# KiCad board zr7-taillight.kicad_pcb
title: Tail Light for ZR-7; date: 2025-12-04; rev: 1.1; company: Salvatore La Bua; note: SLB Labs
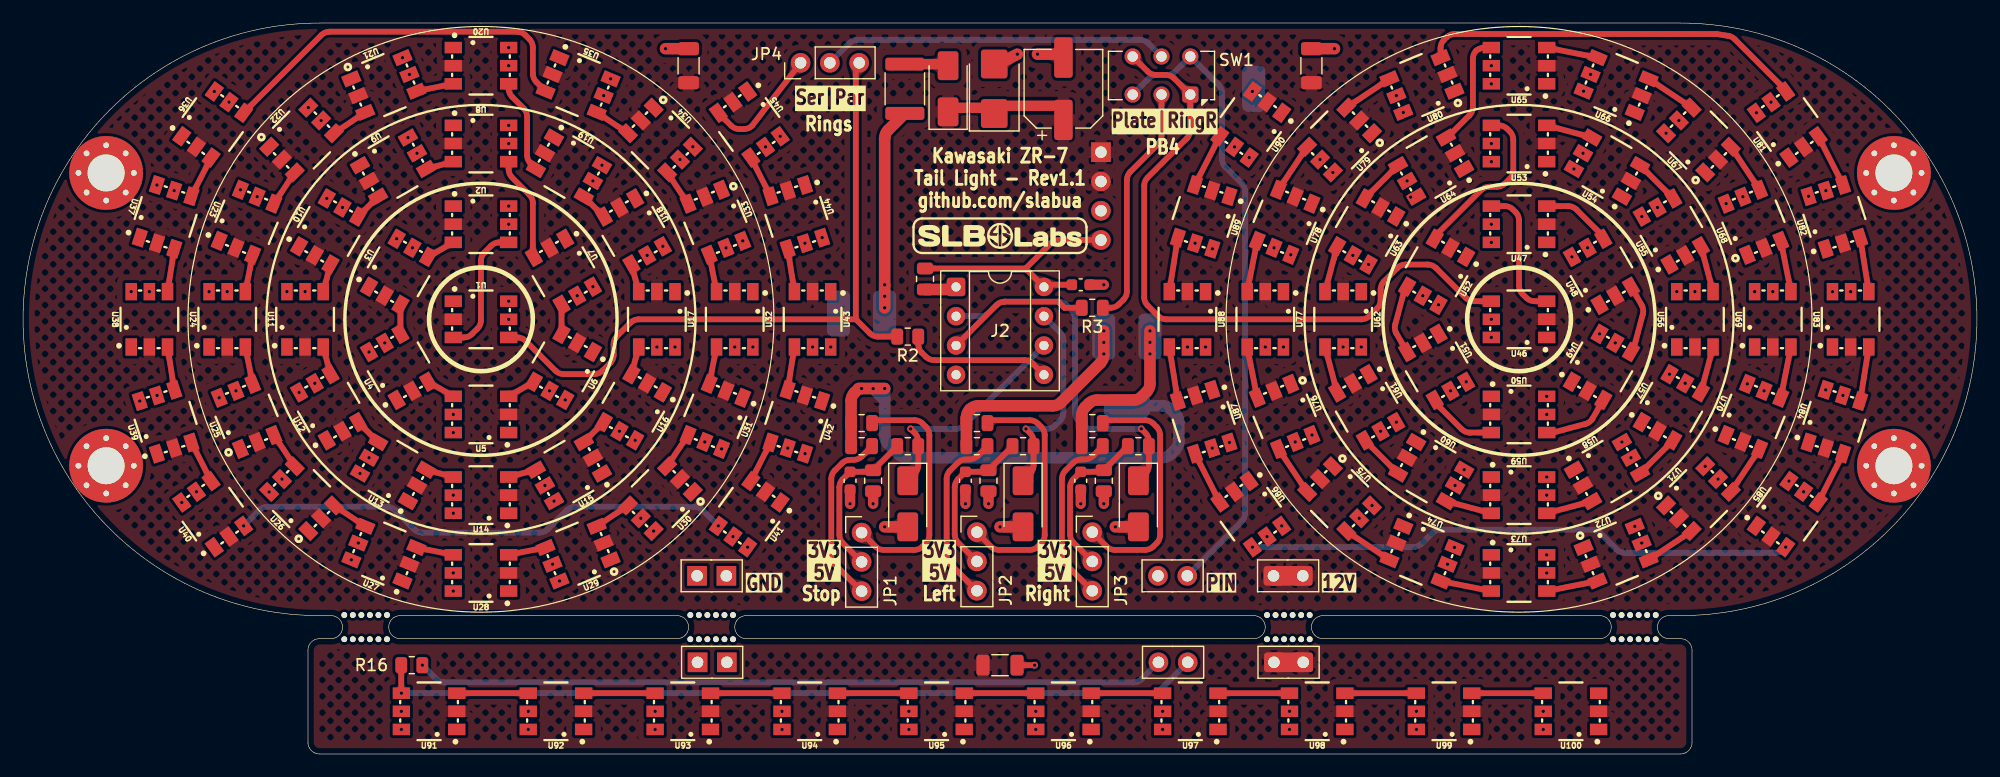
[diagram p0: board, top side]
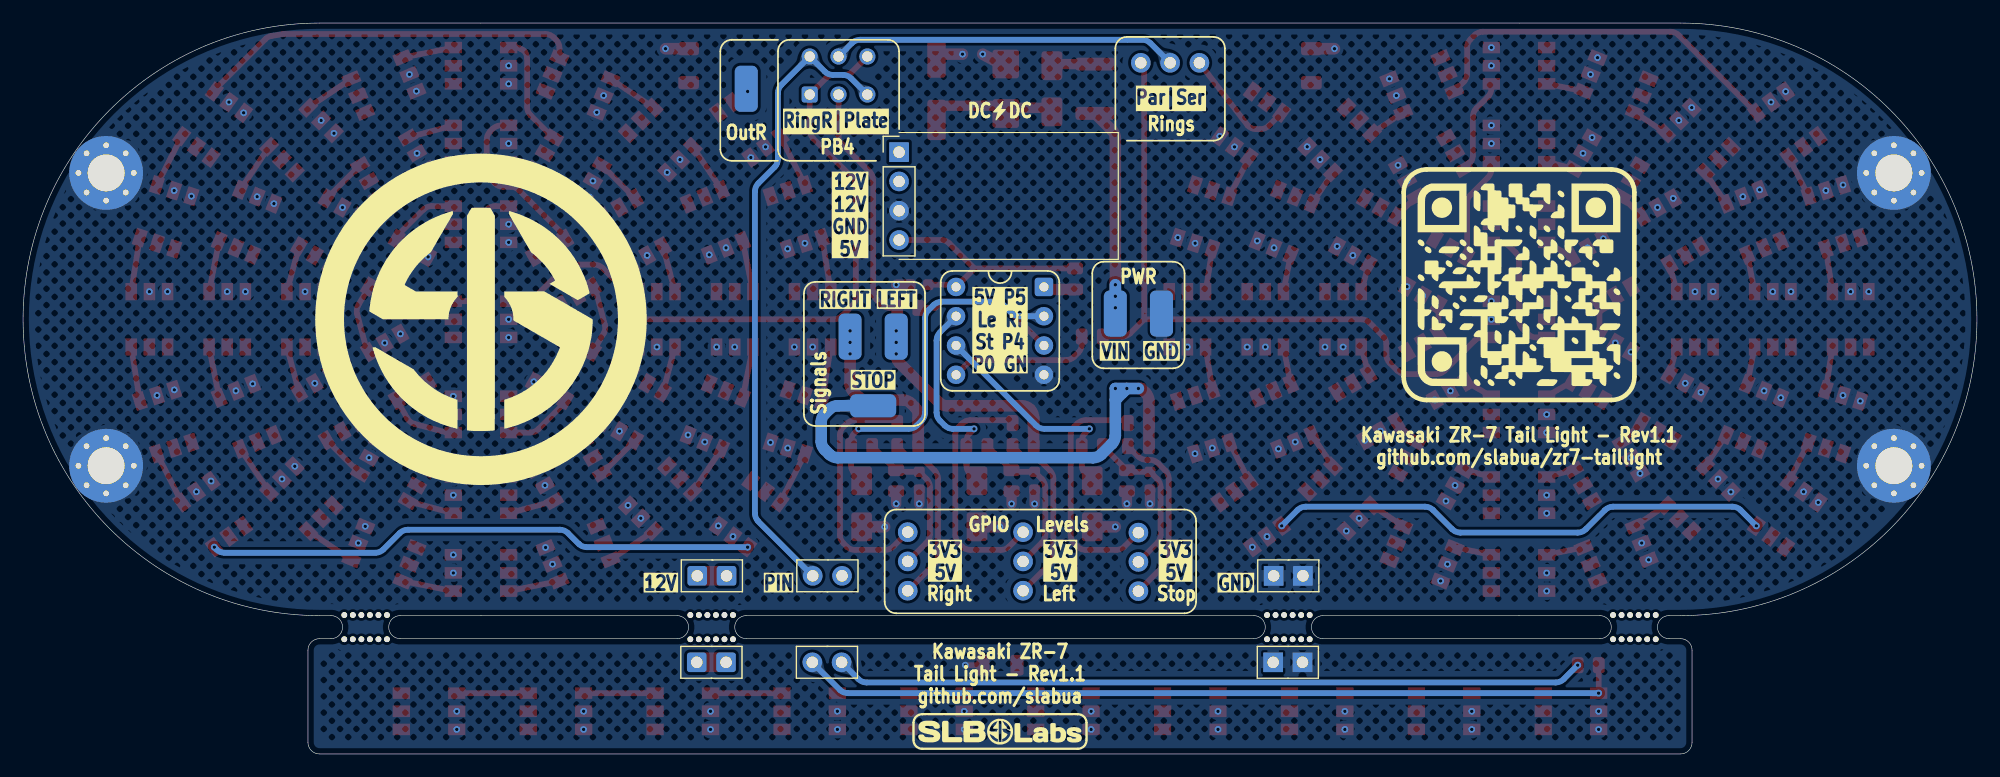
[diagram p1: board, bottom side, seen from below]

Outline 169.4 x 63.4 mm; copper layers: Top, Bottom. Coordinates in mm from the lower left corner of the outline.
Outline path: 26.7,12 25.7,12 arc(0,37.7) 25.7,63.4 143.7,63.4 arc(169.4,37.7) 143.7,12 142.7,12 ; 26.7,10 25.7,10 arc(24.99,9.71) 24.7,9 24.7,1 arc(24.99,0.29) 25.7,0 143.7,0 arc(144.41,0.29) 144.7,1 144.7,9 arc(144.41,9.71) 143.7,10 142.7,10 ; 32.7,12 56.7,12 ; 32.7,10 56.7,10 ; 62.7,10 106.7,10 ; 106.7,12 62.7,12 ; 112.7,12 136.7,12 ; 112.7,10 136.7,10

## Placement (name value [footprint] x y rotation side)
C1  100u  [CP_Elec_6.3x5.7]  90.2 57.7 90 top
C2  100n  [C_0603_1608Metric]  91.7 40.7 0 top
C3  100n  [C_0603_1608Metric]  71.7 23.7 270 top
C4  100n  [C_0603_1608Metric]  81.7 23.7 270 top
C5  100n  [C_0603_1608Metric]  91.7 23.7 270 top
C6  1u  [C_1206_3216Metric]  57.7 59.7 90 top
C7  1u  [C_1206_3216Metric]  111.7 59.7 90 top
C8  1u  [C_1206_3216Metric]  84.7 7.7 0 top
D1  D_Schottky  [D_SMA]  80.2 57.7 90 top
D2  SMBJ14A  [D_SMB]  84.2 57.7 90 top
D3  SMAJ5.0A  [D_SMA]  76.7 21.7 270 top
D4  SMAJ5.0A  [D_SMA]  86.7 21.7 270 top
D5  SMAJ5.0A  [D_SMA]  96.7 21.7 270 top
F1  Polyfuse  [SLB-Fuse_1812_4532Metric]  76.45 57.7 90 top
G***  -  [SLBLabs LOGO full w-border]  84.7 44.95 0 top
G***#2  -  [LOGO]  39.7 40.7 180 bottom
G***#3  -  [SLBLabs LOGO full w-border]  84.7 1.95 180 bottom
J1  Conn_01x04_Pin  [SLB-Mini_DCDC]  93.45 52.2 180 bottom
J2  Conn_02x04_Counter_Clockwise  [DIP-8_W7.62mm_Socket]  80.89 40.51 0 top
JP1  Jumper_3_Open  [PinHeader_1x03_P2.54mm_Vertical]  72.7 19.2 0 top
JP2  Jumper_3_Open  [PinHeader_1x03_P2.54mm_Vertical]  82.7 19.24 0 top
JP3  Jumper_3_Open  [PinHeader_1x03_P2.54mm_Vertical]  92.7 19.24 0 top
JP4  Jumper_3_Open  [PinHeader_1x03_P2.54mm_Vertical]  67.41 59.95 90 top
R1  10k  [R_0805_2012Metric]  78.2 41.2 270 top
R2  330  [R_0805_2012Metric]  76.7 36.2 180 top
R3  330  [R_0805_2012Metric]  92.7 38.7 0 top
R4  1k  [R_0805_2012Metric]  76.7 26.7 180 top
R5  1k  [R_0805_2012Metric]  86.7 26.7 180 top
R6  1k  [R_0805_2012Metric]  96.7 26.7 180 top
R7  4k7  [R_0805_2012Metric]  73.7 23.7 270 top
R8  4k7  [R_0805_2012Metric]  83.7 23.7 270 top
R9  4k7  [R_0805_2012Metric]  93.7 23.7 270 top
R10  22k  [R_0805_2012Metric]  72.7 26.7 0 top
R11  22k  [R_0805_2012Metric]  82.7 26.7 0 top
R12  22k  [R_0805_2012Metric]  92.7 26.7 0 top
R13  39k  [R_0805_2012Metric]  72.7 28.7 0 top
R14  39k  [R_0805_2012Metric]  82.7 28.7 0 top
R15  39k  [R_0805_2012Metric]  92.7 28.7 0 top
R16  330  [R_0805_2012Metric]  33.7 7.7 180 top
REF**  mousebites 2mm  [mousebites_2mm]  59.7 12 90 top
Ref**  -  [SLBLabs LOGO only w-border]  129.7 37.7 180 bottom
REF**#2  mousebites 2mm  [mousebites_2mm]  59.7 10 270 top
REF**#3  mousebites 2mm  [mousebites_2mm]  109.7 12 90 top
REF**#4  mousebites 2mm  [mousebites_2mm]  29.7 10 270 top
REF**#5  -  [MountingHole_3.2mm_M3_Pad_Via]  7.2 25 0 top
REF**#6  mousebites 2mm  [mousebites_2mm]  29.7 12 90 top
REF**#7  mousebites 2mm  [mousebites_2mm]  139.7 12 90 top
REF**#8  -  [MountingHole_3.2mm_M3_Pad_Via]  162.2 25 0 top
REF**#9  mousebites 2mm  [mousebites_2mm]  109.7 10 270 top
REF**#10  mousebites 2mm  [mousebites_2mm]  139.7 10 270 top
REF**#11  -  [MountingHole_3.2mm_M3_Pad_Via]  162.2 50.4 0 top
REF**#12  -  [MountingHole_3.2mm_M3_Pad_Via]  7.2 50.4 0 top
REF**#13  -  [PinHeader_1x02_P2.54mm_Vertical]  110.99 7.95 90 bottom
REF**#14  -  [SolderWirePad_1x01_SMD_2x4mm]  93.7 36.2 180 bottom
REF**#15  -  [SolderWirePad_1x01_SMD_2x4mm]  106.7 57.7 180 bottom
REF**#16  -  [SolderWirePad_1x01_SMD_2x4mm]  95.7 30.2 90 bottom
REF**#17  -  [PinHeader_1x02_P2.54mm_Vertical#2]  60.98 15.45 90 bottom
REF**#18  -  [PinHeader_1x02_P2.54mm_Vertical#2]  61.02 7.95 90 bottom
REF**#19  -  [SolderWirePad_1x01_SMD_2x4mm]  74.7 38.2 180 bottom
REF**#20  -  [PinHeader_1x02_P2.54mm_Vertical#3]  100.94 15.45 90 bottom
REF**#21  -  [SolderWirePad_1x01_SMD_2x4mm]  70.7 38.2 180 bottom
REF**#22  -  [PinHeader_1x02_P2.54mm_Vertical]  110.95 15.45 90 bottom
REF**#23  -  [PinHeader_1x02_P2.54mm_Vertical#3]  100.98 7.95 90 bottom
REF**#24  -  [SolderWirePad_1x01_SMD_2x4mm]  97.7 36.2 180 bottom
SW1  SW_DPDT_x2  [SW_CK_JS202011CQN_DPDT_Straight]  101.2 57.2 180 top
U1  WS2815  [LED-TRICOLOR-5050]  39.7 37.7 0 top
U2  WS2815  [LED-TRICOLOR-5050]  39.7 45.95 0 top
U3  WS2815  [LED-TRICOLOR-5050]  32.56 41.83 60 top
U4  WS2815  [LED-TRICOLOR-5050]  32.56 33.58 120 top
U5  WS2815  [LED-TRICOLOR-5050]  39.7 29.45 180 top
U6  WS2815  [LED-TRICOLOR-5050]  46.84 33.58 240 top
U7  WS2815  [LED-TRICOLOR-5050]  46.84 41.83 300 top
U8  WS2815  [LED-TRICOLOR-5050]  39.7 52.95 0 top
U9  WS2815  [LED-TRICOLOR-5050]  32.08 50.91 30 top
U10  WS2815  [LED-TRICOLOR-5050]  26.49 45.33 60 top
U11  WS2815  [LED-TRICOLOR-5050]  24.45 37.7 90 top
U12  WS2815  [LED-TRICOLOR-5050]  26.49 30.08 120 top
U13  WS2815  [LED-TRICOLOR-5050]  32.08 24.49 150 top
U14  WS2815  [LED-TRICOLOR-5050]  39.7 22.45 180 top
U15  WS2815  [LED-TRICOLOR-5050]  47.33 24.49 210 top
U16  WS2815  [LED-TRICOLOR-5050]  52.91 30.08 240 top
U17  WS2815  [LED-TRICOLOR-5050]  54.95 37.7 270 top
U18  WS2815  [LED-TRICOLOR-5050]  52.91 45.33 300 top
U19  WS2815  [LED-TRICOLOR-5050]  47.33 50.91 330 top
U20  WS2815  [LED-TRICOLOR-5050]  39.7 59.7 0 top
U21  WS2815  [LED-TRICOLOR-5050]  31.28 58.03 22.5 top
U22  WS2815  [LED-TRICOLOR-5050]  24.14 53.26 45 top
U23  WS2815  [LED-TRICOLOR-5050]  19.37 46.12 67.5 top
U24  WS2815  [LED-TRICOLOR-5050]  17.7 37.7 90 top
U25  WS2815  [LED-TRICOLOR-5050]  19.37 29.28 112.5 top
U26  WS2815  [LED-TRICOLOR-5050]  24.14 22.14 135 top
U27  WS2815  [LED-TRICOLOR-5050]  31.28 17.37 157.5 top
U28  WS2815  [LED-TRICOLOR-5050]  39.7 15.7 180 top
U29  WS2815  [LED-TRICOLOR-5050]  48.12 17.37 202.5 top
U30  WS2815  [LED-TRICOLOR-5050]  55.26 22.14 225 top
U31  WS2815  [LED-TRICOLOR-5050]  60.03 29.28 247.5 top
U32  WS2815  [LED-TRICOLOR-5050]  61.7 37.7 270 top
U33  WS2815  [LED-TRICOLOR-5050]  60.03 46.12 292.5 top
U34  WS2815  [LED-TRICOLOR-5050]  55.26 53.26 315 top
U35  WS2815  [LED-TRICOLOR-5050]  48.12 58.03 337.5 top
U36  WS2815  [LED-TRICOLOR-5050]  16.44 54.6 54 top
U37  WS2815  [LED-TRICOLOR-5050]  12.36 46.58 72 top
U38  WS2815  [LED-TRICOLOR-5050]  10.95 37.7 90 top
U39  WS2815  [LED-TRICOLOR-5050]  12.36 28.82 108 top
U40  WS2815  [LED-TRICOLOR-5050]  16.44 20.8 126 top
U41  WS2815  [LED-TRICOLOR-5050]  62.96 20.8 234 top
U42  WS2815  [LED-TRICOLOR-5050]  67.04 28.82 252 top
U43  WS2815  [LED-TRICOLOR-5050]  68.45 37.7 270 top
U44  WS2815  [LED-TRICOLOR-5050]  67.04 46.58 288 top
U45  WS2815  [LED-TRICOLOR-5050]  62.96 54.6 306 top
U46  WS2815  [LED-TRICOLOR-5050]  129.7 37.7 180 top
U47  WS2815  [LED-TRICOLOR-5050]  129.7 45.95 180 top
U48  WS2815  [LED-TRICOLOR-5050]  136.84 41.83 120 top
U49  WS2815  [LED-TRICOLOR-5050]  136.84 33.58 60 top
U50  WS2815  [LED-TRICOLOR-5050]  129.7 29.45 0 top
U51  WS2815  [LED-TRICOLOR-5050]  122.56 33.58 300 top
U52  WS2815  [LED-TRICOLOR-5050]  122.56 41.83 240 top
U53  WS2815  [LED-TRICOLOR-5050]  129.7 52.95 180 top
U54  WS2815  [LED-TRICOLOR-5050]  137.32 50.91 150 top
U55  WS2815  [LED-TRICOLOR-5050]  142.91 45.33 120 top
U56  WS2815  [LED-TRICOLOR-5050]  144.95 37.7 90 top
U57  WS2815  [LED-TRICOLOR-5050]  142.91 30.08 60 top
U58  WS2815  [LED-TRICOLOR-5050]  137.32 24.49 30 top
U59  WS2815  [LED-TRICOLOR-5050]  129.7 22.45 0 top
U60  WS2815  [LED-TRICOLOR-5050]  122.08 24.49 330 top
U61  WS2815  [LED-TRICOLOR-5050]  116.49 30.08 300 top
U62  WS2815  [LED-TRICOLOR-5050]  114.45 37.7 270 top
U63  WS2815  [LED-TRICOLOR-5050]  116.49 45.33 240 top
U64  WS2815  [LED-TRICOLOR-5050]  122.08 50.91 210 top
U65  WS2815  [LED-TRICOLOR-5050]  129.7 59.7 180 top
U66  WS2815  [LED-TRICOLOR-5050]  138.12 58.03 157.5 top
U67  WS2815  [LED-TRICOLOR-5050]  145.26 53.26 135 top
U68  WS2815  [LED-TRICOLOR-5050]  150.03 46.12 112.5 top
U69  WS2815  [LED-TRICOLOR-5050]  151.7 37.7 90 top
U70  WS2815  [LED-TRICOLOR-5050]  150.03 29.28 67.5 top
U71  WS2815  [LED-TRICOLOR-5050]  145.26 22.14 45 top
U72  WS2815  [LED-TRICOLOR-5050]  138.12 17.37 22.5 top
U73  WS2815  [LED-TRICOLOR-5050]  129.7 15.7 0 top
U74  WS2815  [LED-TRICOLOR-5050]  121.28 17.37 337.5 top
U75  WS2815  [LED-TRICOLOR-5050]  114.14 22.14 315 top
U76  WS2815  [LED-TRICOLOR-5050]  109.37 29.28 292.5 top
U77  WS2815  [LED-TRICOLOR-5050]  107.7 37.7 270 top
U78  WS2815  [LED-TRICOLOR-5050]  109.37 46.12 247.5 top
U79  WS2815  [LED-TRICOLOR-5050]  114.14 53.26 225 top
U80  WS2815  [LED-TRICOLOR-5050]  121.28 58.03 202.5 top
U81  WS2815  [LED-TRICOLOR-5050]  152.96 54.6 126 top
U82  WS2815  [LED-TRICOLOR-5050]  157.04 46.58 108 top
U83  WS2815  [LED-TRICOLOR-5050]  158.45 37.7 90 top
U84  WS2815  [LED-TRICOLOR-5050]  157.04 28.82 72 top
U85  WS2815  [LED-TRICOLOR-5050]  152.96 20.8 54 top
U86  WS2815  [LED-TRICOLOR-5050]  106.44 20.8 306 top
U87  WS2815  [LED-TRICOLOR-5050]  102.36 28.82 288 top
U88  WS2815  [LED-TRICOLOR-5050]  100.95 37.7 270 top
U89  WS2815  [LED-TRICOLOR-5050]  102.36 46.58 252 top
U90  WS2815  [LED-TRICOLOR-5050]  106.44 54.6 234 top
U91  WS2815  [LED-TRICOLOR-5050]  35.2 3.7 180 top
U92  WS2815  [LED-TRICOLOR-5050]  46.2 3.7 180 top
U93  WS2815  [LED-TRICOLOR-5050]  57.2 3.7 180 top
U94  WS2815  [LED-TRICOLOR-5050]  68.2 3.7 180 top
U95  WS2815  [LED-TRICOLOR-5050]  79.2 3.7 180 top
U96  WS2815  [LED-TRICOLOR-5050]  90.2 3.7 180 top
U97  WS2815  [LED-TRICOLOR-5050]  101.2 3.7 180 top
U98  WS2815  [LED-TRICOLOR-5050]  112.2 3.7 180 top
U99  WS2815  [LED-TRICOLOR-5050]  123.2 3.7 180 top
U100  WS2815  [LED-TRICOLOR-5050]  134.2 3.7 180 top

## Library data of the parts
C1 = -: Description: Polarized capacitor, US symbol; LCSC: C493460; ki_fp_filters: CP_*
C2-C5 = -: Description: Unpolarized capacitor; LCSC: C14663; ki_fp_filters: C_*
C6-C8 = -: Description: Unpolarized capacitor; LCSC: C1848; ki_fp_filters: C_*
D1 = -: Description: Schottky diode; LCSC: C22452; ki_fp_filters: TO-???* *_Diode_* *SingleDiode* D_*
D2 = -: Datasheet: https://www.littelfuse.com/media?resourcetype=datasheets&itemid=75e32973-b177-4ee3-a0ff-cedaf1abdb93&filename=smaj-datasheet; Description: 400W unidirectional Transient Voltage Suppressor, 6.5Vr, SMA(DO-214AC); LCSC: C152106; ki_fp_filters: D*SMA*
D3-D5 = -: Datasheet: https://www.littelfuse.com/media?resourcetype=datasheets&itemid=75e32973-b177-4ee3-a0ff-cedaf1abdb93&filename=smaj-datasheet; Description: 400W unidirectional Transient Voltage Suppressor, 6.5Vr, SMA(DO-214AC); LCSC: C113952; ki_fp_filters: D*SMA*
F1 = -: Description: Resettable fuse, polymeric positive temperature coefficient; LCSC: C2843993; ki_fp_filters: *polyfuse* *PTC*
J1 = -: Description: Generic connector, single row, 01x04, script generated; LCSC: C5116483; ki_fp_filters: Connector*:*_1x??_*
J2 = -: Description: Generic connector, double row, 02x04, counter clockwise pin numbering scheme (similar to DIP package numbering), script generated (kicad-library-utils/schlib/autogen/connector/); LCSC: C72129; ki_fp_filters: Connector*:*_2x??_*
JP1-JP4 = -: Description: Jumper, 3-pole, both open; LCSC: C49257; ki_fp_filters: Jumper* TestPoint*3Pads* TestPoint*Bridge*
R1 = -: Description: Resistor; LCSC: C17414; ki_fp_filters: R_*
R2 R3 R16 = -: Description: Resistor; LCSC: C17630; ki_fp_filters: R_*
R4-R6 = -: Description: Resistor; LCSC: C17513; ki_fp_filters: R_*
R7-R9 = -: Description: Resistor; LCSC: C17673; ki_fp_filters: R_*
R10-R12 = -: Description: Resistor; LCSC: C17560; ki_fp_filters: R_*
R13-R15 = -: Description: Resistor; LCSC: C25826; ki_fp_filters: R_*
SW1 = -: Description: Switch, dual pole double throw, separate symbols; LCSC: C431542; ki_fp_filters: SW*DPDT*
U1-U100 = -: MF: Normand; Description_1: Intelligent control LED integrated light source; Package: Package; Price: None; SnapEDA_Link: https://www.snapeda.com/parts/WS2815/Normand/view-part/?ref=snap; Availability: Not in stock; Check_prices: https://www.snapeda.com/parts/WS2815/Normand/view-part/?ref=eda; LCSC: C5446699

## Footprints (pads in the part's own frame, mm; a bottom-side part is the same pattern mirrored in y, then rotated)
C_0603_1608Metric
  rrect 0.9x0.95 smd: 1(-0.775,0) 2(0.775,0)
C_1206_3216Metric
  rrect 1.15x1.8 smd: 1(-1.475,0) 2(1.475,0)
CP_Elec_6.3x5.7
  rrect 3.5x1.6 smd: 1(-2.7,0) 2(2.7,0)
D_SMA
  rrect 2.5x1.8 smd: 1(-2,0) 2(2,0)
D_SMB
  rrect 2.5x2.3 smd: 1(-2.15,0) 2(2.15,0)
DIP-8_W7.62mm_Socket
  rrect 1.6x1.6 hole 0.8: 1(0,0)
  round 1.6 hole 0.8: 2(0,-2.54) 3(0,-5.08) 4(0,-7.62) 5(7.62,-7.62) 6(7.62,-5.08) 7(7.62,-2.54) 8(7.62,0)
LED-TRICOLOR-5050
  rect 1.5x1 smd: 1(-2.4,1.573) 2(-2.4,0) 3(-2.4,-1.573) 4(2.4,-1.573) 5(2.4,0) 6(2.4,1.573)
MountingHole_3.2mm_M3_Pad_Via
  round 0.8 hole 0.5: 1(-2.4,0) 1(-1.697,1.697) 1(-1.697,-1.697) 1(0,2.4) 1(0,-2.4) 1(1.697,1.697) 1(1.697,-1.697) 1(2.4,0)
  round 6.4 hole 3.2: 1(0,0)
mousebites_2mm
  round 0.5 hole 0.5 unplated: (0.05,1.85) (0.05,1.11) (0.05,0.37) (0.05,-0.37) (0.05,-1.11) (0.05,-1.85)
PinHeader_1x02_P2.54mm_Vertical
  rrect 1.7x1.7 hole 1: 1(0,0) 2(0,-2.54)
PinHeader_1x02_P2.54mm_Vertical#2
  rect 1.7x1.7 hole 1: 1(0,0) 2(0,-2.54)
PinHeader_1x02_P2.54mm_Vertical#3
  round 1.7 hole 1: 1(0,0) 2(0,-2.54)
PinHeader_1x03_P2.54mm_Vertical
  round 1.7 hole 1: 1(0,0) 2(0,-2.54) 3(0,-5.08)
R_0805_2012Metric
  rrect 1.025x1.4 smd: 1(-0.912,0) 2(0.912,0)
SLB-Fuse_1812_4532Metric
  rrect 1.125x3.4 smd: 1(-2.138,0) 2(2.138,0)
SLB-Mini_DCDC
  rect 1.7x1.7 hole 1: 1(0,0)
  round 1.7 hole 1: 2(0,-2.54) 3(0,-5.08) 4(0,-7.62)
SolderWirePad_1x01_SMD_2x4mm
  rrect 2x4 smd: 1(0,0)
SW_CK_JS202011CQN_DPDT_Straight
  rrect 1.4x1.4 hole 0.9: 1(0,0)
  round 1.4 hole 0.9: 2(2.5,0) 3(5,0) 4(5,-3.3) 5(2.5,-3.3) 6(0,-3.3)

## Nets
5V: C2.1 J1.4 J2.8 R1.1
12V: C1.1 C6.1 C7.1 C8.1 D1.1 D2.1 J1.1 J1.2 REF**#13.1 REF**#13.2 REF**#22.1 REF**#22.2 U1.2 U2.2 U3.2 U4.2 U5.2 U6.2 U7.2 U8.2 U9.2 U10.2 U11.2 U12.2 U13.2 U14.2 U15.2 U16.2 U17.2 U18.2 U19.2 U20.2 U21.2 U22.2 U23.2 U24.2 U25.2 U26.2 U27.2 U28.2 U29.2 U30.2 U31.2 U32.2 U33.2 U34.2 U35.2 U36.2 U37.2 U38.2 U39.2 U40.2 U41.2 U42.2 U43.2 U44.2 U45.2 U46.2 U47.2 U48.2 U49.2 U50.2 U51.2 U52.2 U53.2 U54.2 U55.2 U56.2 U57.2 U58.2 U59.2 U60.2 U61.2 U62.2 U63.2 U64.2 U65.2 U66.2 U67.2 U68.2 U69.2 U70.2 U71.2 U72.2 U73.2 U74.2 U75.2 U76.2 U77.2 U78.2 U79.2 U80.2 U81.2 U82.2 U83.2 U84.2 U85.2 U86.2 U87.2 U88.2 U89.2 U90.2 U91.2 U92.2 U93.2 U94.2 U95.2 U96.2 U97.2 U98.2 U99.2 U100.2
GND: C1.2 C2.2 C3.2 C4.2 C5.2 C6.2 C7.2 C8.2 D2.2 D3.2 D4.2 D5.2 J1.3 J2.4 R7.2 R8.2 R9.2 REF**#5.1 REF**#8.1 REF**#11.1 REF**#12.1 REF**#17.1 REF**#17.2 REF**#18.1 REF**#18.2 REF**#21.1 U1.5 U1.6 U2.5 U2.6 U3.5 U3.6 U4.5 U4.6 U5.5 U5.6 U6.5 U6.6 U7.5 U7.6 U8.5 U8.6 U9.5 U9.6 U10.5 U10.6 U11.5 U11.6 U12.5 U12.6 U13.5 U13.6 U14.5 U14.6 U15.5 U15.6 U16.5 U16.6 U17.5 U17.6 U18.5 U18.6 U19.5 U19.6 U20.5 U20.6 U21.5 U21.6 U22.5 U22.6 U23.5 U23.6 U24.5 U24.6 U25.5 U25.6 U26.5 U26.6 U27.5 U27.6 U28.5 U28.6 U29.5 U29.6 U30.5 U30.6 U31.5 U31.6 U32.5 U32.6 U33.5 U33.6 U34.5 U34.6 U35.5 U35.6 U36.5 U36.6 U37.5 U37.6 U38.5 U38.6 U39.5 U39.6 U40.5 U40.6 U41.5 U41.6 U42.5 U42.6 U43.5 U43.6 U44.5 U44.6 U45.5 U45.6 U46.5 U46.6 U47.5 U47.6 U48.5 U48.6 U49.5 U49.6 U50.5 U50.6 U51.5 U51.6 U52.5 U52.6 U53.5 U53.6 U54.5 U54.6 U55.5 U55.6 U56.5 U56.6 U57.5 U57.6 U58.5 U58.6 U59.5 U59.6 U60.5 U60.6 U61.5 U61.6 U62.5 U62.6 U63.5 U63.6 U64.5 U64.6 U65.5 U65.6 U66.5 U66.6 U67.5 U67.6 U68.5 U68.6 U69.5 U69.6 U70.5 U70.6 U71.5 U71.6 U72.5 U72.6 U73.5 U73.6 U74.5 U74.6 U75.5 U75.6 U76.5 U76.6 U77.5 U77.6 U78.5 U78.6 U79.5 U79.6 U80.5 U80.6 U81.5 U81.6 U82.5 U82.6 U83.5 U83.6 U84.5 U84.6 U85.5 U85.6 U86.5 U86.6 U87.5 U87.6 U88.5 U88.6 U89.5 U89.6 U90.5 U90.6 U91.5 U91.6 U92.5 U92.6 U93.5 U93.6 U94.5 U94.6 U95.5 U95.6 U96.5 U96.6 U97.5 U97.6 U98.5 U98.6 U99.5 U99.6 U100.5 U100.6
/Left: D4.1 J2.7 R5.1
/PB5: J2.1 R1.2
/Plate: R16.1 REF**#20.2 REF**#23.2
/Right: D5.1 J2.2 R6.1
/Ring_L: J2.5 R2.1
/Ring_R: J2.3 R3.1
/Stop: D3.1 J2.6 R4.1
IN_Plate: R16.2 REF**#20.1 REF**#23.1 SW1.3 SW1.6 U91.4
IN_Ring_L: JP4.3 R2.2 U1.4
IN_Ring_R: SW1.1 SW1.4 U46.4
LEFT: R11.1 R14.1 REF**#14.1
OUT_PB1: R3.2 SW1.2
OUT_Ring_L: JP4.1 U45.3
OUT_Ring_R: REF**#15.1 U90.3
RIGHT: R12.1 R15.1 REF**#24.1
STOP: R10.1 R13.1 REF**#16.1
V+: F1.1 REF**#19.1
Net-(D1-A): D1.2 F1.2
Net-(JP1-A): JP1.1 R13.2
Net-(JP1-B): JP1.3 R10.2
Net-(JP1-C): C3.1 JP1.2 R4.2 R7.1
Net-(JP2-A): JP2.1 R14.2
Net-(JP2-B): JP2.3 R11.2
Net-(JP2-C): C4.1 JP2.2 R5.2 R8.1
Net-(JP3-A): JP3.1 R15.2
Net-(JP3-B): JP3.3 R12.2
Net-(JP3-C): C5.1 JP3.2 R6.2 R9.1
Net-(JP4-C): JP4.2 SW1.5
Net-(U1-DO): U1.3 U2.4
Net-(U2-DO): U2.3 U3.4
Net-(U3-DO): U3.3 U4.4
Net-(U4-DO): U4.3 U5.4
Net-(U5-DO): U5.3 U6.4
Net-(U6-DO): U6.3 U7.4
Net-(U7-DO): U7.3 U8.4
Net-(U8-DO): U8.3 U9.4
Net-(U10-DIN): U9.3 U10.4
Net-(U10-DO): U10.3 U11.4
Net-(U11-DO): U11.3 U12.4
Net-(U12-DO): U12.3 U13.4
Net-(U13-DO): U13.3 U14.4
Net-(U14-DO): U14.3 U15.4
Net-(U15-DO): U15.3 U16.4
Net-(U16-DO): U16.3 U17.4
Net-(U17-DO): U17.3 U18.4
Net-(U18-DO): U18.3 U19.4
Net-(U19-DO): U19.3 U20.4
Net-(U20-DO): U20.3 U21.4
Net-(U21-DO): U21.3 U22.4
Net-(U22-DO): U22.3 U23.4
Net-(U23-DO): U23.3 U24.4
Net-(U24-DO): U24.3 U25.4
Net-(U25-DO): U25.3 U26.4
Net-(U26-DO): U26.3 U27.4
Net-(U27-DO): U27.3 U28.4
Net-(U28-DO): U28.3 U29.4
Net-(U29-DO): U29.3 U30.4
Net-(U30-DO): U30.3 U31.4
Net-(U31-DO): U31.3 U32.4
Net-(U32-DO): U32.3 U33.4
Net-(U33-DO): U33.3 U34.4
Net-(U34-DO): U34.3 U35.4
Net-(U35-DO): U35.3 U36.4
Net-(U36-DO): U36.3 U37.4
Net-(U37-DO): U37.3 U38.4
Net-(U38-DO): U38.3 U39.4
Net-(U39-DO): U39.3 U40.4
Net-(U40-DO): U40.3 U41.4
Net-(U41-DO): U41.3 U42.4
Net-(U42-DO): U42.3 U43.4
Net-(U43-DO): U43.3 U44.4
Net-(U44-DO): U44.3 U45.4
Net-(U46-DO): U46.3 U47.4
Net-(U47-DO): U47.3 U48.4
Net-(U48-DO): U48.3 U49.4
Net-(U49-DO): U49.3 U50.4
Net-(U50-DO): U50.3 U51.4
Net-(U51-DO): U51.3 U52.4
Net-(U52-DO): U52.3 U53.4
Net-(U53-DO): U53.3 U54.4
Net-(U54-DO): U54.3 U55.4
Net-(U55-DO): U55.3 U56.4
Net-(U56-DO): U56.3 U57.4
Net-(U57-DO): U57.3 U58.4
Net-(U58-DO): U58.3 U59.4
Net-(U59-DO): U59.3 U60.4
Net-(U60-DO): U60.3 U61.4
Net-(U61-DO): U61.3 U62.4
Net-(U62-DO): U62.3 U63.4
Net-(U63-DO): U63.3 U64.4
Net-(U64-DO): U64.3 U65.4
Net-(U65-DO): U65.3 U66.4
Net-(U66-DO): U66.3 U67.4
Net-(U67-DO): U67.3 U68.4
Net-(U68-DO): U68.3 U69.4
Net-(U69-DO): U69.3 U70.4
Net-(U70-DO): U70.3 U71.4
Net-(U71-DO): U71.3 U72.4
Net-(U72-DO): U72.3 U73.4
Net-(U73-DO): U73.3 U74.4
Net-(U74-DO): U74.3 U75.4
Net-(U75-DO): U75.3 U76.4
Net-(U76-DO): U76.3 U77.4
Net-(U77-DO): U77.3 U78.4
Net-(U78-DO): U78.3 U79.4
Net-(U79-DO): U79.3 U80.4
Net-(U80-DO): U80.3 U81.4
Net-(U81-DO): U81.3 U82.4
Net-(U82-DO): U82.3 U83.4
Net-(U83-DO): U83.3 U84.4
Net-(U84-DO): U84.3 U85.4
Net-(U85-DO): U85.3 U86.4
Net-(U86-DO): U86.3 U87.4
Net-(U87-DO): U87.3 U88.4
Net-(U88-DO): U88.3 U89.4
Net-(U89-DO): U89.3 U90.4
Net-(U91-DO): U91.3 U92.4
Net-(U92-DO): U92.3 U93.4
Net-(U93-DO): U93.3 U94.4
Net-(U94-DO): U94.3 U95.4
Net-(U95-DO): U95.3 U96.4
Net-(U96-DO): U96.3 U97.4
Net-(U97-DO): U97.3 U98.4
Net-(U98-DO): U98.3 U99.4
Net-(U100-DIN): U99.3 U100.4

Pads without a net: U1 1; U2 1; U3 1; U4 1; U5 1; U6 1; U7 1; U8 1; U9 1; U10 1; U11 1; U12 1; U13 1; U14 1; U15 1; U16 1; U17 1; U18 1; U19 1; U20 1; U21 1; U22 1; U23 1; U24 1; U25 1; U26 1; U27 1; U28 1; U29 1; U30 1; U31 1; U32 1; U33 1; U34 1; U35 1; U36 1; U37 1; U38 1; U39 1; U40 1; U41 1; U42 1; U43 1; U44 1; U45 1; U46 1; U47 1; U48 1; U49 1; U50 1; U51 1; U52 1; U53 1; U54 1; U55 1; U56 1; U57 1; U58 1; U59 1; U60 1; U61 1; U62 1; U63 1; U64 1; U65 1; U66 1; U67 1; U68 1; U69 1; U70 1; U71 1; U72 1; U73 1; U74 1; U75 1; U76 1; U77 1; U78 1; U79 1; U80 1; U81 1; U82 1; U83 1; U84 1; U85 1; U86 1; U87 1; U88 1; U89 1; U90 1; U91 1; U92 1; U93 1; U94 1; U95 1; U96 1; U97 1; U98 1; U99 1; U100 1 3

## Via types
v1: diameter 0.6, hole 0.3, Top to Bottom, 237 vias

## Routing (per net, layer and track width the routed paths; a pad name or vN(x,y) marks a point on that pad's centre or on a via; arc(x,y) is an arc through that point)
5V: length 21
  Top w0.5: R1.1 86.92,42.11 89.1,44.29 arc(89.42,44.5) 89.8,44.58 J1.4 ; 86.92,42.11 J2.8 88.7,40.7 C2.1
12V: length 15.3
  Top w0.9: D2.1 83.7,56.05 80.55,56.05 D1.1 ; 89.95,56.23 84.13,56.23
  Top w1.7: REF**#22.2 REF**#22.1 ; REF**#13.2 REF**#13.1
GND: length 23.3
  Top w0.5: C8.2 v1(87.7,7.7)
  Top w0.9: C4.2 v1(81.7,21.7) ; C2.2 v1(93.7,40.7) ; R7.2 v1(73.7,21.7) ; C5.2 v1(91.7,21.7) ; C3.2 v1(71.7,21.7) ; R8.2 v1(83.7,21.7) ; R9.2 v1(93.7,21.7)
  Top w1: v1(113.7,61.18) C7.2 ; v1(86.2,60.7) 84.6,59.85 D2.2 ; D4.2 v1(84.7,19.7) ; D3.2 v1(74.7,19.7) ; 89.4,60.7 v1(87.95,60.7) ; v1(55.7,61.18) C6.2 ; D5.2 v1(94.7,19.7)
  vias: v1(9.38,40.1) v1(10.12,30.61) v1(10.95,40.1) v1(11.6,49.35) v1(11.62,31.1) v1(13.1,48.87) v1(13.76,21.82) v1(15.03,22.74) v1(16.13,40.1) v1(16.58,57.47) v1(17,30.9) v1(17.7,40.1) v1(17.85,56.54) v1(18.46,31.5) v1(18.84,48.94) v1(20.29,48.34) v1(21.33,22.73) v1(22.45,23.84) v1(22.88,40.1) v1(23.93,31.37) v1(24.45,40.1) v1(24.73,56.07) v1(25.29,32.15) v1(25.84,54.95) v1(26.33,48.19) v1(27.69,47.4) v1(28.46,16.84) v1(29.06,18.29) v1(29.21,24.33) v1(29.99,34.87) v1(30,25.69) v1(31.36,35.65) v1(32.39,44.69) v1(32.8,3.7) v1(32.8,2.13) v1(32.9,60.4) v1(33.37,53.47) v1(33.5,58.94) v1(33.76,43.9) v1(34.15,52.11) v1(37.3,29.45) v1(37.3,27.88) v1(37.3,22.45) v1(37.3,20.88) v1(37.3,15.7) v1(37.3,14.13) v1(42.1,61.27) v1(42.1,59.7) v1(42.1,54.52) v1(42.1,52.95) v1(42.1,47.52) v1(42.1,45.95) v1(42.1,39.27) v1(42.1,37.7) v1(43.8,3.7) v1(43.8,2.13) v1(45.25,23.29) v1(45.64,31.5) v1(45.9,16.46) v1(46.03,21.93) v1(46.5,15) v1(47.01,30.71) v1(48.04,39.75) v1(49.4,49.71) v1(49.41,40.53) v1(50.19,51.07) v1(50.34,57.11) v1(50.94,58.56) v1(51.71,28) v1(53.07,27.21) v1(53.56,20.45) v1(54.11,43.25) v1(54.67,19.33) v1(54.8,3.7) v1(54.8,2.13) v1(54.95,35.3) v1(55.47,44.03) v1(56.52,35.3) v1(56.95,51.56) v1(58.07,52.67) v1(59.11,27.06) v1(60.56,26.46) v1(60.94,43.9) v1(61.55,18.86) v1(61.7,35.3) v1(62.4,44.5) v1(62.82,17.93) v1(63.27,35.3) v1(64.37,52.66) v1(65.64,53.58) v1(65.8,3.7) v1(65.8,2.13) v1(66.3,26.53) v1(67.78,44.3) v1(67.8,26.05) v1(68.45,35.3) v1(69.28,44.79) v1(70.02,35.3) v1(76.8,3.7) v1(76.8,2.13) v1(87.8,3.7) v1(87.8,2.13) v1(98.8,3.7) v1(98.8,2.13) v1(100.95,35.3) v1(101.62,44.3) v1(102.52,35.3) v1(103.11,43.82) v1(103.1,26.53) v1(104.59,27.02) v1(105.03,52.66) v1(106.3,51.73) v1(107.7,35.3) v1(107.85,18.86) v1(108.46,43.9) v1(109.12,19.78) v1(109.27,35.3) v1(109.8,3.7) v1(109.8,2.13) v1(109.91,43.3) v1(110.29,27.06) v1(111.75,27.67) v1(112.45,51.56) v1(113.56,50.45) v1(114.45,35.3) v1(115.29,43.25) v1(115.84,20.45) v1(116.02,35.3) v1(116.66,42.46) v1(116.95,21.56) v1(117.69,28) v1(119.06,57.11) v1(119.06,28.78) v1(119.67,55.65) v1(120,49.71) v1(120.3,48.3) v1(120.8,3.7) v1(120.8,2.13) v1(121.36,39.75) v1(122.72,38.96) v1(123.5,16.46) v1(123.76,31.5) v1(124.1,17.91) v1(124.15,23.29) v1(124.94,24.66) v1(125.12,32.28) v1(127.3,59.7) v1(127.3,58.13) v1(127.3,52.95) v1(127.3,51.38) v1(127.3,45.95) v1(127.3,44.38) v1(127.3,37.7) v1(127.3,36.13) v1(131.8,3.7) v1(131.8,2.13) v1(132.1,31.02) v1(132.1,29.45) v1(132.1,24.02) v1(132.1,22.45) v1(132.1,17.27) v1(132.1,15.7) v1(134.28,43.12) v1(134.46,50.74) v1(135.25,52.11) v1(135.3,57.49) v1(135.64,43.9) v1(135.9,58.94) v1(136.68,36.44) v1(138.04,35.65) v1(138.62,27.06) v1(139.4,25.69) v1(139.73,19.75) v1(140.34,46.62) v1(140.34,18.29) v1(141.71,47.4) v1(142.45,53.84) v1(142.74,32.94) v1(143.38,40.1) v1(143.56,54.95) v1(144.11,32.15) v1(144.95,40.1) v1(145.84,24.95) v1(146.95,23.84) v1(147.65,47.73) v1(149.11,48.34) v1(149.49,32.1) v1(150.13,40.1) v1(150.28,55.62) v1(150.94,31.5) v1(151.55,56.54) v1(151.7,40.1) v1(153.1,23.67) v1(154.37,22.74) v1(154.81,48.38) v1(156.3,48.87) v1(156.29,31.58) v1(156.88,40.1) v1(157.78,31.1) v1(158.45,40.1)
/Left: length 18.1
  Top w0.5: v1(86.95,28.2) 87.32,27.83 arc(87.54,27.51) 87.61,27.12 R5.1 87.61,25.03 arc(87.54,24.64) 87.32,24.32 D4.1
  Bottom w0.5: J2.7 89.91,36.57 arc(90.12,36.25) 90.2,35.87 90.2,29.61 arc(90.12,29.23) 89.91,28.91 89.49,28.49 arc(89.17,28.28) 88.79,28.2 v1(86.95,28.2)
/PB5: length 2.8
  Top w1: R1.2 80.67,40.29 J2.1
/Plate: length 65.1
  Bottom w0.5: REF**#23.2 96.98,6.49 arc(96.65,6.28) 96.27,6.2 36.53,6.2 arc(36.14,6.28) 35.82,6.49 v1(34.61,7.7)
/Right: length 31.2
  Top w0.5: v1(96.95,28.2) 97.32,27.83 arc(97.54,27.51) 97.61,27.12 R6.1 97.61,25.03 arc(97.54,24.64) 97.32,24.32 D5.1
  Bottom w0.5: J2.2 83.01,37.97 arc(83.39,38.05) 83.72,38.26 84.39,38.94 arc(84.72,39.15) 85.1,39.23 89.76,39.23 arc(90.14,39.15) 90.46,38.94 90.91,38.49 arc(91.12,38.17) 91.2,37.79 91.2,29.61 arc(91.28,29.23) 91.49,28.91 91.91,28.49 arc(92.23,28.28) 92.61,28.2 v1(96.95,28.2)
/Ring_L: length 12.8
  Top w0.5: R2.1 77.61,35.53 arc(77.69,35.14) 77.91,34.82 78.27,34.45 arc(78.6,34.24) 78.98,34.16 86.82,34.16 arc(87.21,34.09) 87.53,33.87 J2.5
/Ring_R: length 12.6
  Top w0.5: R3.1 90.29,38.7 89.75,39.23 85.11,39.23 arc(84.72,39.16) 84.4,38.94 J2.3
/Stop: length 19.6
  Top w0.5: v1(76.95,28.2) 77.32,27.83 arc(77.54,27.51) 77.61,27.12 R4.1 77.61,25.03 arc(77.54,24.64) 77.32,24.32 D3.1
  Bottom w0.5: v1(76.95,28.2) 80.87,28.2 arc(81.25,28.28) 81.57,28.49 J2.6
IN_Plate: length 127
  Top w0.5: R16.2 32.79,5.29 v1(32.8,5.27) 32.8,5.39
  Bottom w0.5: v1(32.8,5.27) 97.88,5.27 arc(98.27,5.35) 98.59,5.57 REF**#23.1 ; REF**#20.1 105.66,20.17 arc(105.87,20.5) 105.95,20.88 105.95,48.79 arc(105.87,49.17) 105.66,49.49 104.24,50.91 arc(104.03,51.23) 103.95,51.61 103.95,57.34 arc(103.87,57.72) 103.66,58.04 SW1.6 99.89,59.19 arc(99.57,58.98) 99.19,58.9 98.31,58.9 arc(97.93,58.82) 97.61,58.61 SW1.3
IN_Ring_L: length 60.7
  Top w0.5: 72.2,37.7 72.2,59.66 JP4.3 ; 72.2,37.7 73.41,36.49 arc(73.73,36.28) 74.11,36.2 R2.2 ; 72.2,37.7 53.36,37.7 arc(52.98,37.62) 52.66,37.41 51.49,36.24 arc(51.28,35.92) 51.2,35.54 51.2,34.61 arc(51.12,34.23) 50.91,33.91 50.24,33.24 arc(49.92,33.03) 49.54,32.95 46.86,32.95 arc(46.48,33.03) 46.16,33.24 43.57,35.83 arc(43.24,36.05) 42.86,36.13 U1.4
IN_Ring_R: length 60.5
  Top w0.5: U46.4 125.79,39.27 arc(125.41,39.35) 125.08,39.57 122.49,42.16 arc(122.17,42.37) 121.79,42.45 119.86,42.45 arc(119.48,42.37) 119.16,42.16 117.99,40.99 arc(117.78,40.67) 117.7,40.29 117.7,39.36 arc(117.62,38.98) 117.41,38.66 116.74,37.99 arc(116.42,37.78) 116.04,37.7 99.11,37.7 arc(98.73,37.78) 98.41,37.99 97.49,38.91 arc(97.28,39.23) 97.2,39.61 97.2,49.29 arc(97.28,49.67) 97.49,49.99 100.91,53.41 arc(101.12,53.73) 101.2,54.11 SW1.1 99.79,58.61 arc(99.47,58.82) 99.09,58.9 98.21,58.9 arc(97.83,58.98) 97.51,59.19 SW1.4
LEFT: length 19
  Top w1: v1(93.7,36.7) 93.7,34.61 arc(93.62,34.23) 93.41,33.91 89.99,30.49 arc(89.67,30.28) 89.29,30.2 82.81,30.2 arc(82.43,30.12) 82.11,29.91 82.08,29.88 arc(81.86,29.56) 81.79,29.17 R14.1 R11.1
  vias: v1(93.7,35.7) v1(93.7,34.7)
OUT_PB1: length 21.1
  Top w0.5: R3.2 94.29,38.7 arc(94.67,38.78) 94.99,38.99 95.41,39.41 arc(95.62,39.73) 95.7,40.11 95.7,49.79 arc(95.78,50.17) 95.99,50.49 98.41,52.91 arc(98.62,53.23) 98.7,53.61 SW1.2
OUT_Ring_L: length 10.4
  Top w0.5: JP4.1 63.2,54.49 arc(62.88,54.28) 62.5,54.2 62.11,54.2 arc(61.72,54.28) 61.4,54.49 U45.3
OUT_Ring_R:
  vias: v1(106.58,57.47)
RIGHT: length 14.6
  Top w1: R12.1 R15.1 91.79,29.37 arc(91.86,29.76) 92.08,30.08 92.41,30.41 arc(92.73,30.62) 93.11,30.7 96.29,30.7 arc(96.67,30.78) 96.99,30.99 97.41,31.41 arc(97.62,31.73) 97.7,32.11 v1(97.7,34.7) v1(97.7,35.7) v1(97.7,36.7)
STOP: length 49.1
  Top w1: v1(74.7,31.7) v1(73.7,31.7) v1(72.7,31.7) 72.45,31.7 72.08,31.33 arc(71.86,31.01) 71.79,30.62 R13.1 R10.1
  Bottom w1: 74.7,30.7 74.7,27.61 arc(74.78,27.23) 74.99,26.91 75.91,25.99 arc(76.23,25.78) 76.61,25.7 98.79,25.7 arc(99.17,25.78) 99.49,25.99 99.91,26.41 arc(100.12,26.73) 100.2,27.11 100.2,28.79 arc(100.12,29.17) 99.91,29.49 99.49,29.91 arc(99.17,30.12) 98.79,30.2 REF**#16.1 ; 74.7,30.7 v1(73.7,31.7) ; 74.7,30.7 v1(74.7,31.7) v1(72.7,31.7)
V+: length 20
  Top w1: v1(74.7,38.7) v1(74.7,40.7) 74.7,53.4 arc(74.78,53.78) 74.99,54.11 F1.1
  Bottom w1: v1(74.7,40.7) REF**#19.1
  vias: v1(74.7,39.7)
Net-(D1-A): length 3.8
  Top w0.9: F1.2 80.06,59.84 D1.2
Net-(JP1-A): length 21.6
  Top w0.5: R13.2 73.86,28.95 77.29,28.95 arc(77.67,28.87) 77.99,28.66 78.28,28.37 arc(78.5,28.04) 78.58,27.66 78.58,18.99 arc(78.5,18.61) 78.28,18.28 77.99,17.99 arc(77.67,17.78) 77.29,17.7 74.61,17.7 arc(74.23,17.78) 73.91,17.99 JP1.1
Net-(JP1-B): length 15.6
  Top w0.5: JP1.3 70.37,16.45 arc(70.15,16.78) 70.07,17.16 70.07,23.87 arc(70.15,24.25) 70.37,24.58 71.01,25.22 arc(71.33,25.44) 71.71,25.51 72.01,25.51 arc(72.39,25.59) 72.72,25.8 R10.2
Net-(JP1-C): length 14
  Top w0.5: 73.61,24.7 R7.1 ; R7.1 R4.2 ; R7.1 73.56,24.48 C3.1 71.07,23.84 arc(70.85,23.52) 70.77,23.13 70.77,19 arc(70.85,18.62) 71.07,18.29 JP1.2
Net-(JP2-A): length 21.6
  Top w0.5: R14.2 83.86,28.95 87.29,28.95 arc(87.67,28.87) 87.99,28.66 88.28,28.37 arc(88.5,28.04) 88.58,27.66 88.58,18.99 arc(88.5,18.61) 88.28,18.28 87.99,17.99 arc(87.67,17.78) 87.29,17.7 84.61,17.7 arc(84.23,17.78) 83.91,17.99 82.7,19.2 JP2.1
Net-(JP2-B): length 15.6
  Top w0.5: JP2.3 80.37,16.49 arc(80.15,16.82) 80.07,17.2 80.07,23.87 arc(80.15,24.25) 80.37,24.58 81.04,25.26 arc(81.37,25.47) 81.75,25.55 82.05,25.55 arc(82.43,25.63) 82.75,25.84 R11.2
Net-(JP2-C): length 14
  Top w0.5: R8.1 83.56,24.48 C4.1 81.07,23.84 arc(80.85,23.52) 80.77,23.13 80.77,19.04 arc(80.85,18.66) 81.07,18.33 JP2.2 ; R8.1 R5.2 ; R8.1 83.61,24.7
Net-(JP3-A): length 21.6
  Top w0.5: JP3.1 93.95,17.99 arc(94.27,17.78) 94.65,17.7 97.29,17.7 arc(97.67,17.78) 97.99,17.99 98.28,18.28 arc(98.5,18.61) 98.58,18.99 98.58,27.66 arc(98.5,28.04) 98.28,28.37 97.99,28.66 arc(97.67,28.87) 97.29,28.95 93.86,28.95 R15.2
Net-(JP3-B): length 15.6
  Top w0.5: R12.2 92.75,25.84 arc(92.43,25.63) 92.05,25.55 91.75,25.55 arc(91.37,25.47) 91.04,25.26 90.37,24.58 arc(90.15,24.25) 90.07,23.87 90.07,17.2 arc(90.15,16.82) 90.37,16.49 JP3.3
Net-(JP3-C): length 14
  Top w0.5: 93.61,24.7 R9.1 ; R9.1 R6.2 ; R9.1 93.56,24.48 C5.1 91.07,23.84 arc(90.85,23.52) 90.77,23.13 90.77,19.04 arc(90.85,18.66) 91.07,18.33 JP3.2
Net-(JP4-C): length 30.2
  Bottom w0.5: SW1.5 97.54,61.66 arc(97.22,61.87) 96.84,61.95 73.61,61.95 ; JP4.2 71.66,61.66 arc(71.98,61.87) 72.36,61.95 73.7,61.95
Net-(U1-DO): length 11.6
  Top w0.5: U2.4 41.29,44.38 arc(40.91,44.3) 40.58,44.08 39.99,43.49 arc(39.78,43.17) 39.7,42.79 39.7,37.61 arc(39.62,37.23) 39.41,36.91 38.92,36.42 arc(38.6,36.2) 38.21,36.13 U1.3
Net-(U2-DO): length 2.5
  Top w0.5: U3.4 U2.3
Net-(U3-DO): length 2.5
  Top w0.5: U4.4 U3.3
Net-(U4-DO): length 2.5
  Top w0.5: U5.4 U4.3
Net-(U5-DO): length 2.5
  Top w0.5: U6.4 U5.3
Net-(U6-DO): length 2.5
  Top w0.5: U7.4 U6.3
Net-(U7-DO): length 9.1
  Top w0.5: U8.4 42.1,50.71 arc(42.18,50.33) 42.39,50.01 43.91,48.49 arc(44.12,48.17) 44.2,47.79 44.2,43.2 U7.3
Net-(U8-DO): length 2.4
  Top w0.5: U9.4 U8.3
Net-(U10-DIN): length 2.4
  Top w0.5: U10.4 U9.3
Net-(U10-DO): length 2.4
  Top w0.5: U11.4 U10.3
Net-(U11-DO): length 2.4
  Top w0.5: U12.4 U11.3
Net-(U12-DO): length 2.4
  Top w0.5: U13.4 U12.3
Net-(U13-DO): length 2.4
  Top w0.5: U14.4 U13.3
Net-(U14-DO): length 2.4
  Top w0.5: U15.4 U14.3
Net-(U15-DO): length 2.4
  Top w0.5: U16.4 U15.3
Net-(U16-DO): length 2.4
  Top w0.5: U17.4 U16.3
Net-(U17-DO): length 2.4
  Top w0.5: U18.4 U17.3
Net-(U18-DO): length 2.4
  Top w0.5: U19.4 U18.3
Net-(U19-DO): length 8.2
  Top w0.5: U19.3 43.99,51.21 arc(43.78,51.54) 43.7,51.92 43.7,55.29 arc(43.62,55.67) 43.41,55.99 42.39,57.01 arc(42.18,57.33) 42.1,57.71 U20.4
Net-(U20-DO): length 3.3
  Top w0.5: U21.4 U20.3
Net-(U21-DO): length 3.3
  Top w0.5: U22.4 U21.3
Net-(U22-DO): length 3.3
  Top w0.5: U23.4 U22.3
Net-(U23-DO): length 3.3
  Top w0.5: U24.4 U23.3
Net-(U24-DO): length 3.3
  Top w0.5: U25.4 U24.3
Net-(U25-DO): length 3.3
  Top w0.5: U26.4 U25.3
Net-(U26-DO): length 3.3
  Top w0.5: U27.4 U26.3
Net-(U27-DO): length 3.3
  Top w0.5: U28.4 U27.3
Net-(U28-DO): length 3.3
  Top w0.5: U29.4 U28.3
Net-(U29-DO): length 3.3
  Top w0.5: U30.4 U29.3
Net-(U30-DO): length 3.3
  Top w0.5: U31.4 U30.3
Net-(U31-DO): length 3.3
  Top w0.5: U32.4 U31.3
Net-(U32-DO): length 3.3
  Top w0.5: U33.4 U32.3
Net-(U33-DO): length 3.3
  Top w0.5: U34.4 U33.3
Net-(U34-DO): length 3.3
  Top w0.5: U35.4 U34.3
Net-(U35-DO): length 32.9
  Top w0.5: U36.4 25.86,62.36 arc(26.19,62.57) 26.57,62.65 42.84,62.65 arc(43.22,62.57) 43.54,62.36 43.91,61.99 arc(44.12,61.67) 44.2,61.29 44.2,59 arc(44.28,58.62) 44.49,58.3 U35.3
Net-(U36-DO): length 3.8
  Top w0.5: U37.4 U36.3
Net-(U37-DO): length 3.8
  Top w0.5: U38.4 U37.3
Net-(U38-DO): length 3.8
  Top w0.5: U38.3 U39.4
Net-(U39-DO): length 3.8
  Top w0.5: U39.3 U40.4
Net-(U40-DO): length 44.1
  Bottom w0.5: v1(60.28,19.78) 58.9,21.16 arc(58.58,21.37) 58.2,21.45 47.86,21.45 arc(47.48,21.37) 47.16,21.16 45.49,19.49 arc(45.17,19.28) 44.79,19.2 34.61,19.2 arc(34.23,19.28) 33.91,19.49 32.24,21.16 arc(31.92,21.37) 31.54,21.45 21.2,21.45 arc(20.82,21.37) 20.5,21.16 v1(19.12,19.78)
Net-(U41-DO): length 3.8
  Top w0.5: U42.4 U41.3
Net-(U42-DO): length 3.8
  Top w0.5: U43.4 U42.3
Net-(U43-DO): length 3.8
  Top w0.5: U44.4 U43.3
Net-(U44-DO): length 3.8
  Top w0.5: U45.4 U44.3
Net-(U46-DO): length 11.9
  Top w0.5: U47.4 128.46,47.52 arc(128.85,47.45) 129.17,47.23 129.41,46.99 arc(129.62,46.67) 129.7,46.29 129.7,40.61 arc(129.78,40.23) 129.99,39.91 130.33,39.57 arc(130.66,39.35) 131.04,39.27 U46.3
Net-(U47-DO): length 6.2
  Top w0.5: U47.3 133.96,47.52 arc(134.35,47.45) 134.67,47.23 137.01,44.89 U48.4
Net-(U48-DO): length 6.2
  Top w0.5: U49.4 139.58,34.97 140.44,38.16 arc(140.46,38.55) 140.34,38.92 U48.3
Net-(U49-DO): length 6.2
  Top w0.5: U50.4 132.28,27.78 135.47,28.63 arc(135.82,28.8) 136.08,29.1 U49.3
Net-(U50-DO): length 6.2
  Top w0.5: U50.3 125.44,27.88 arc(125.05,27.95) 124.73,28.17 122.39,30.51 U51.4
Net-(U51-DO): length 6.2
  Top w0.5: U51.3 119.06,36.48 arc(118.94,36.85) 118.96,37.24 119.82,40.43 U52.4
Net-(U52-DO): length 14.7
  Top w0.5: U52.3 122.39,44.89 126.41,48.91 arc(126.73,49.12) 127.11,49.2 127.79,49.2 arc(128.17,49.28) 128.49,49.49 128.91,49.91 arc(129.12,50.23) 129.2,50.61 129.2,53.29 arc(129.12,53.67) 128.91,53.99 128.67,54.23 arc(128.35,54.45) 127.96,54.52 U53.4
Net-(U53-DO): length 4.1
  Top w0.5: U53.3 U54.4
Net-(U54-DO): length 4.1
  Top w0.5: U54.3 U55.4
Net-(U55-DO): length 4.1
  Top w0.5: U55.3 146.52,40.1
Net-(U56-DO): length 4.1
  Top w0.5: U56.3 U57.4
Net-(U57-DO): length 4.1
  Top w0.5: U57.3 U58.4
Net-(U58-DO): length 4.1
  Top w0.5: U58.3 132.1,20.88
Net-(U59-DO): length 4.1
  Top w0.5: U59.3 U60.4
Net-(U60-DO): length 4.1
  Top w0.5: U60.3 U61.4
Net-(U61-DO): length 4.1
  Top w0.5: U61.3 112.88,35.3
Net-(U62-DO): length 4.1
  Top w0.5: U62.3 U63.4
Net-(U63-DO): length 4.1
  Top w0.5: U63.3 U64.4
Net-(U64-DO): length 10
  Top w0.5: U64.3 123.47,53.47 125.41,55.41 arc(125.62,55.73) 125.7,56.11 125.7,60.31 arc(125.78,60.69) 125.99,61.02 126.22,61.15 arc(126.46,61.24) 126.71,61.27 U65.4
Net-(U65-DO): length 4.5
  Top w0.5: U65.3 U66.4
Net-(U66-DO): length 4.5
  Top w0.5: U66.3 U67.4
Net-(U67-DO): length 4.5
  Top w0.5: U67.3 U68.4
Net-(U68-DO): length 4.5
  Top w0.5: U68.3 U69.4
Net-(U69-DO): length 4.5
  Top w0.5: U69.3 U70.4
Net-(U70-DO): length 4.5
  Top w0.5: U70.3 U71.4
Net-(U71-DO): length 4.5
  Top w0.5: U71.3 U72.4
Net-(U72-DO): length 4.5
  Top w0.5: U72.3 U73.4
Net-(U73-DO): length 4.5
  Top w0.5: U73.3 U74.4
Net-(U74-DO): length 4.5
  Top w0.5: U74.3 U75.4
Net-(U75-DO): length 4.5
  Top w0.5: U75.3 U76.4
Net-(U76-DO): length 4.5
  Top w0.5: U76.3 U77.4
Net-(U77-DO): length 4.5
  Top w0.5: U77.3 U78.4
Net-(U78-DO): length 4.5
  Top w0.5: U78.3 U79.4
Net-(U79-DO): length 4.5
  Top w0.5: U79.3 U80.4
Net-(U80-DO): length 33.5
  Top w0.5: U81.4 152.82,57.58 148.39,62.01 arc(148.14,62.19) 147.84,62.29 146.9,62.44 arc(146.82,62.45) 146.75,62.45 124.11,62.45 arc(123.73,62.37) 123.41,62.16 123.19,61.94 arc(122.97,61.61) 122.9,61.23 U80.3
Net-(U81-DO): length 4.7
  Top w0.5: U81.3 U82.4
Net-(U82-DO): length 4.7
  Top w0.5: U82.3 U83.4
Net-(U83-DO): length 4.7
  Top w0.5: U83.3 U84.4
Net-(U84-DO): length 4.7
  Top w0.5: U84.3 U85.4
Net-(U85-DO): length 47.7
  Bottom w0.5: v1(152.82,17.93) 152.63,17.74 arc(152.3,17.53) 151.92,17.45 138.86,17.45 arc(138.48,17.53) 138.16,17.74 136.74,19.16 arc(136.42,19.37) 136.04,19.45 122.86,19.45 arc(122.48,19.37) 122.16,19.16 121.23,18.23 arc(120.9,18.01) 120.52,17.93 v1(106.58,17.93)
Net-(U86-DO): length 4.7
  Top w0.5: U86.3 U87.4
Net-(U87-DO): length 4.7
  Top w0.5: U87.3 U88.4
Net-(U88-DO): length 4.7
  Top w0.5: U88.3 U89.4
Net-(U89-DO): length 4.7
  Top w0.5: U89.3 U90.4
Net-(U91-DO): length 6.2
  Top w0.5: U91.3 U92.4
Net-(U92-DO): length 6.2
  Top w0.5: U92.3 U93.4
Net-(U93-DO): length 6.2
  Top w0.5: U93.3 U94.4
Net-(U94-DO): length 6.2
  Top w0.5: U94.3 U95.4
Net-(U95-DO): length 5.7
  Top w0.5: 82.1,5.27 U96.4
Net-(U96-DO): length 6.2
  Top w0.5: U96.3 U97.4
Net-(U97-DO): length 6.2
  Top w0.5: U97.3 U98.4
Net-(U98-DO): length 6.2
  Top w0.5: U98.3 U99.4
Net-(U100-DIN): length 6.2
  Top w0.5: U99.3 U100.4

## Copper pours and planes (outline as drawn; the poured copper is in the pictures)
12V on Top: -5.3,67.7 174.7,67.7 174.7,-4.3 -5.3,-4.3
GND on Bottom: -4.3,68.7 175.7,68.7 175.7,-3.3 -4.3,-3.3
GND on Bottom: 49.7,48.71 49.11,50.13 47.7,50.71 31.7,50.71 30.29,50.13 29.7,48.71 29.7,32.71 30.29,31.3 31.7,30.71 47.7,30.71 49.11,31.3 49.7,32.71

Small or netless copper shapes (teardrops, artwork), in the pictures only: 271 on Top, 22 on Bottom

## Text on the board
B.Silkscreen: Kawasaki ZR-7 Tail Light - Rev1.1 / github.com/slabua/zr7-taillight | 3V3 / 5V | Par|Ser | DC  DC | 5V P5 / Le Ri / St P4 / P0 GN | Kawasaki ZR-7 / Tail Light - Rev1.1 / github.com/slabua | 12V / 12V / GND / 5V | RingR|Plate | GND | Stop | Rings | PWR | VIN | Left | GPIO   Levels | Right | LEFT | STOP | RIGHT | PB4 | PIN | OutR | 12V | Signals
F.Silkscreen: 3V3 / 5V | Ser|Par | Kawasaki ZR-7 / Tail Light - Rev1.1 / github.com/slabua | Plate|RingR | GND | Stop | Rings | Left | Right | PB4 | PIN | 12V
